# Altium PCB InsaneKeyboard.PcbDoc (part 2 of 4)
Units mil, origin at the board's own origin, x right, y up, seen from the top; angles counter-clockwise.
Board outline 7442.83 x 6333.68 mil, 4 copper layers (Top Layer, Int1 (GND), Int2 (GND), Bottom Layer), stack 60.6 mil thick; 288 components, 175 nets, 883 pads, 467 vias.
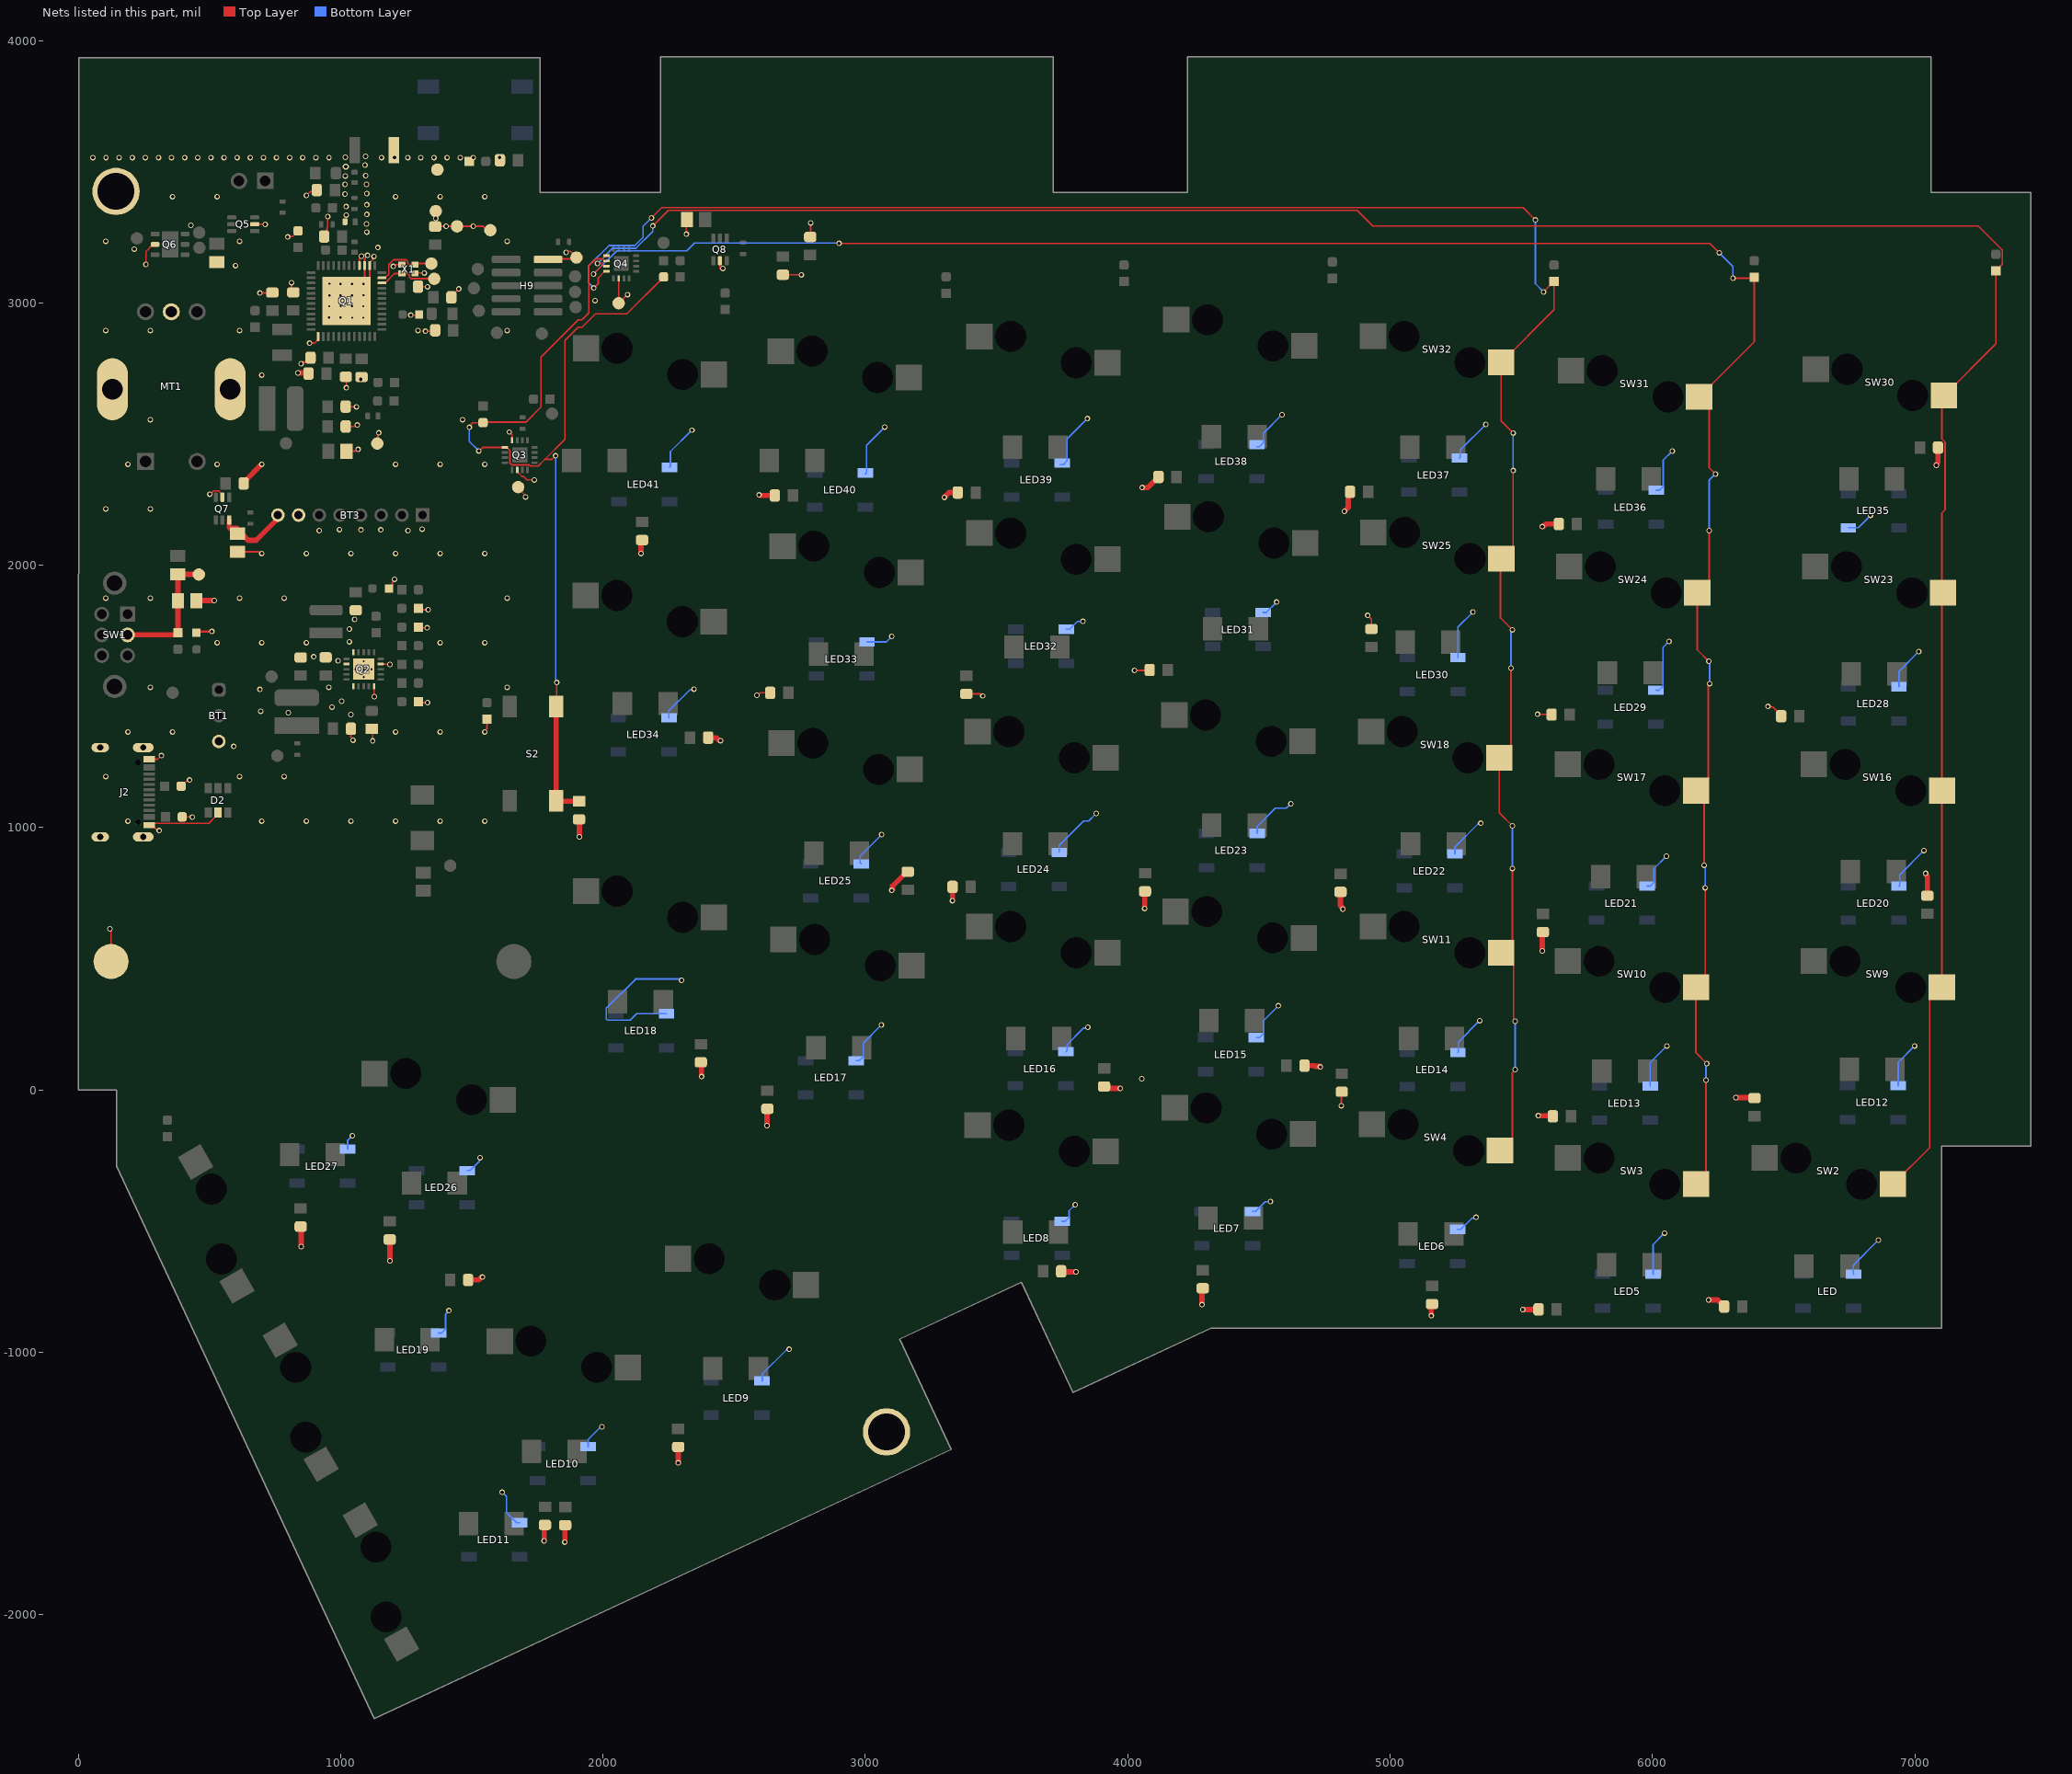
[diagram p4: the nets of this part, all layers, seen from the top]

## Part data (continued)
C4: "Ceramic Capacitor, Multilayer, Ceramic, 50V, 10% +Tol, 10% -Tol, X7R, 15% TC, 0.022uF, Surface Mount, 0603", Capacitor Type=Ceramic, Case/Package=0402, Manufacturer=Murata, Manufacturer Part Number=GRM155R71H223KA12D, Max Operating Temperature=125°C, Min Operating Temperature=-55°C, Package Shape=Rectangular, Package Style=SMTMeter, Rated DC Voltage (URdc)=50V, Supplier Part Number=490-3884-1-ND, Temperature Characteristics Code=X7R, Tolerance  (fill in as +-)=10%, Category="Ceramic Capacitors", ComponentLink1Description=https://datasheet.ciiva.com:443/pdfs/VipMasterIC/IC/MURE/MURE-S-A0008911298/MURE-S-A0008911312-1.pdf?src-supplier=IHS+Markit, ComponentLink1URL=https://datasheet.ciiva.com:443/pdfs/VipMasterIC/IC/MURE/MURE-S-A0008911298/MURE-S-A0008911312-1.pdf?src-supplier=IHS+Markit, ComponentLink2Description=https://datasheet.ciiva.com/11789/0900766b80ef921d-11789142.pdf?src-supplier=Rs, ComponentLink2URL=https://datasheet.ciiva.com/11789/0900766b80ef921d-11789142.pdf?src-supplier=Rs, ComponentLink3Description=https://datasheet.ciiva.com/18184/getdatasheetpartid-178940-18184738.pdf?src-supplier=Verical, ComponentLink3URL=https://datasheet.ciiva.com/18184/getdatasheetpartid-178940-18184738.pdf?src-supplier=Verical, ComponentLink4Description=https://datasheet.ciiva.com/29199/454297-da-01-en-vs-kondensator-0402-29199766.pdf?src-supplier=Conrad, ComponentLink4URL=https://datasheet.ciiva.com/29199/454297-da-01-en-vs-kondensator-0402-29199766.pdf?src-supplier=Conrad, ComponentLink5Description=https://datasheet.ciiva.com/7937/608985-7937629.pdf?src-supplier=Element14, ComponentLink5URL=https://datasheet.ciiva.com/7937/608985-7937629.pdf?src-supplier=Element14, ComponentLink6Description=https://datasheet.ciiva.com/131/partnumbering-e-01-131078.pdf?src-supplier=Digikey, ComponentLink6URL=https://datasheet.ciiva.com/131/partnumbering-e-01-131078.pdf?src-supplier=Digikey, ComponentLink7Description=https://datasheet.ciiva.com/131/partnumbering-e-01-131079.pdf?src-supplier=Digikey, ComponentLink7URL=https://datasheet.ciiva.com/131/partnumbering-e-01-131079.pdf?src-supplier=Digikey, ComponentLink8Description=https://datasheet.ciiva.com/131/partnumbering-e-01-131080.pdf?src-supplier=Digikey, ComponentLink8URL=https://datasheet.ciiva.com/131/partnumbering-e-01-131080.pdf?src-supplier=Digikey, ComponentLink9Description=https://datasheet.ciiva.com/22698/608985-22698424.pdf?src-supplier=Element14, ComponentLink9URL=https://datasheet.ciiva.com/22698/608985-22698424.pdf?src-supplier=Element14, ComponentLink10Description=https://datasheet.ciiva.com/16440/l0005e-16440589.pdf?src-supplier=Future+Electronics, ComponentLink10URL=https://datasheet.ciiva.com/16440/l0005e-16440589.pdf?src-supplier=Future+Electronics, ComponentLink11Description=https://datasheet.ciiva.com:443/pdfs/VipMasterIC/IC/MURE/MURE-S-A0004362469/MURE-S-A0004362882-1.pdf?src-supplier=IHS+Markit, ComponentLink11URL=https://datasheet.ciiva.com:443/pdfs/VipMasterIC/IC/MURE/MURE-S-A0004362469/MURE-S-A0004362882-1.pdf?src-supplier=IHS+Markit, ComponentLink12Description=https://datasheet.ciiva.com/29540/product-29540839.pdf?src-supplier=Digikey, ComponentLink12URL=https://datasheet.ciiva.com/29540/product-29540839.pdf?src-supplier=Digikey, ComponentLink13Description=https://datasheet.ciiva.com/29540/product-29540840.pdf?src-supplier=Digikey, ComponentLink13URL=https://datasheet.ciiva.com/29540/product-29540840.pdf?src-supplier=Digikey, ComponentLink14Description=https://datasheet.ciiva.com/29540/product-29540841.pdf?src-supplier=Digikey, ComponentLink14URL=https://datasheet.ciiva.com/29540/product-29540841.pdf?src-supplier=Digikey, ComponentLink15Description=https://datasheet.ciiva.com/11619/product-11619420.pdf?src-supplier=Avnet, ComponentLink15URL=https://datasheet.ciiva.com/11619/product-11619420.pdf?src-supplier=Avnet, Dielectric Material=Ceramic, Height=0.5mm, JESD-609 Code=e3, Length=1mm, Mounting Technology="Surface Mount", Multilayer=Yes, Packaging="Tape and Reel", Pins=2, Pricing="1=0.1, 10=0.022, 50=0.0148, 100=0.0125, 500=0.00878, 1000=0.00762, 2500=0.00639, 5000=0.00565, 10000=0.00504, 20000=0.00453, 30000=0.00428, 50000=0.004, 70000=0.00383, 100000=0.00367, 250000=0.00333, 500000=0.00312, 1000000=0.00294 (USD)", Reach SVHC Compliant=Yes, Reference Standard=AEC-Q200, RoHS=Yes, RoHS Compliant=Yes, Stock=581872, Supplier=Digikey, Terminal Finish=Nickel, Termination=Wraparound, Tolerance (fill in as +-)=10%, Width=0.5mm
C5: "Ceramic Capacitor, Multilayer, Ceramic, 100V, 5% +Tol, 5% -Tol, C0G, 30ppm/Cel TC, 0.00001uF, Surface Mount, 0603", Capacitor Type=Ceramic, Case/Package=0402, Manufacturer=Murata, Manufacturer Part Number=GRM1555C1H100FA01D, Max Operating Temperature=125°C, Min Operating Temperature=-55°C, Package Shape=Rectangular, Package Style=SMTMeter, Rated DC Voltage (URdc)=50V, Supplier Part Number=490-6186-1-ND, Temperature Characteristics Code=C0G, Tolerance  (fill in as +-)=1%, Category="Ceramic Capacitors", ComponentLink1Description=https://datasheet.ciiva.com:443/pdfs/VipMasterIC/IC/MURE/MURE-S-A0004347008/MURE-S-A0004347294-1.pdf?src-supplier=IHS+Markit, ComponentLink1URL=https://datasheet.ciiva.com:443/pdfs/VipMasterIC/IC/MURE/MURE-S-A0004347008/MURE-S-A0004347294-1.pdf?src-supplier=IHS+Markit, ComponentLink2Description=https://datasheet.ciiva.com/6263/partnumbering-e-01-6263819.pdf?src-supplier=Digikey, ComponentLink2URL=https://datasheet.ciiva.com/6263/partnumbering-e-01-6263819.pdf?src-supplier=Digikey, ComponentLink3Description=https://datasheet.ciiva.com/6263/partnumbering-e-01-6263822.pdf?src-supplier=Digikey, ComponentLink3URL=https://datasheet.ciiva.com/6263/partnumbering-e-01-6263822.pdf?src-supplier=Digikey, ComponentLink4Description=https://datasheet.ciiva.com:443/pdfs/VipMasterIC/IC/MURE/MURE-S-A0004365318/MURE-S-A0004370306-1.pdf?src-supplier=IHS+Markit, ComponentLink4URL=https://datasheet.ciiva.com:443/pdfs/VipMasterIC/IC/MURE/MURE-S-A0004365318/MURE-S-A0004370306-1.pdf?src-supplier=IHS+Markit, ComponentLink5Description=https://datasheet.ciiva.com/133/product-133480.pdf?src-supplier=Digikey, ComponentLink5URL=https://datasheet.ciiva.com/133/product-133480.pdf?src-supplier=Digikey, ComponentLink6Description=https://datasheet.ciiva.com/133/product-133481.pdf?src-supplier=Digikey, ComponentLink6URL=https://datasheet.ciiva.com/133/product-133481.pdf?src-supplier=Digikey, ComponentLink7Description=https://datasheet.ciiva.com/133/product-133482.pdf?src-supplier=Digikey, ComponentLink7URL=https://datasheet.ciiva.com/133/product-133482.pdf?src-supplier=Digikey, ComponentLink8Description=https://datasheet.ciiva.com/18183/getdatasheetpartid-307287-18183583.pdf?src-supplier=Verical, ComponentLink8URL=https://datasheet.ciiva.com/18183/getdatasheetpartid-307287-18183583.pdf?src-supplier=Verical, ComponentLink9Description=https://datasheet.ciiva.com/11607/product-11607353.pdf?src-supplier=Avnet, ComponentLink9URL=https://datasheet.ciiva.com/11607/product-11607353.pdf?src-supplier=Avnet, Dielectric Material=Ceramic, Height=0.9mm, JESD-609 Code=e3, Length=1.6mm, Mounting Technology="Surface Mount", Multilayer=Yes, Packaging="Tape and Reel", Pins=2, Pricing="1=0.1, 10=0.03, 50=0.0204, 100=0.0174, 500=0.0125, 1000=0.01097, 2500=0.00936, 5000=0.00838 (USD)", Reach SVHC Compliant=Yes, Reference Standard=AEC-Q200, RoHS=Yes, RoHS Compliant=Yes, Stock=4693307, Supplier=Digikey, Terminal Finish=Nickel, Termination=Wraparound, Tolerance (fill in as +-)=1%, Width=0.8mm
C6 C15 C17: "Ceramic Capacitor, Multilayer, Ceramic, 25V, 10% +Tol, 10% -Tol, X5R, 15% TC, 4.7uF, Surface Mount, 0603", Capacitor Type=Ceramic, Case/Package=0603, Manufacturer=Murata, Manufacturer Part Number=GRT188R61E475KE13D, Max Operating Temperature=85°C, Min Operating Temperature=-55°C, Package Shape=Rectangular, Rated DC Voltage (URdc)=25V, Supplier Part Number=490-12328-1-ND, Temperature Characteristics Code=X5R, Tolerance  (fill in as +-)=10%, Category="Ceramic Capacitors", ComponentLink1Description=https://psearch.en.murata.com:443/capacitor/product/GRT188R61E475KE13%23.pdf?src-supplier=IHS+Markit, ComponentLink1URL=https://psearch.en.murata.com:443/capacitor/product/GRT188R61E475KE13%23.pdf?src-supplier=IHS+Markit, ComponentLink2Description=http://www.farnell.com/datasheets/2165958.pdf?src-supplier=Farnell, ComponentLink2URL=http://www.farnell.com/datasheets/2165958.pdf?src-supplier=Farnell, ComponentLink3Description=http://search.murata.co.jp/Ceramy/image/img/A01X/G101/ENG/GRT188R61E475KE13-01.pdf?src-supplier=Digikey, ComponentLink3URL=http://search.murata.co.jp/Ceramy/image/img/A01X/G101/ENG/GRT188R61E475KE13-01.pdf?src-supplier=Digikey, ComponentLink4Description=https://datasheet.octopart.com/GRT188R61E475KE13D-Murata-datasheet-67697750.pdf?src-supplier=Newark, ComponentLink4URL=https://datasheet.octopart.com/GRT188R61E475KE13D-Murata-datasheet-67697750.pdf?src-supplier=Newark, ComponentLink5Description=http://www.farnell.com/datasheets/2165958.pdf?src-supplier=Element14, ComponentLink5URL=http://www.farnell.com/datasheets/2165958.pdf?src-supplier=Element14, ComponentLink6Description=https://datasheet.octopart.com/GRT188R61E475KE13D-Murata-datasheet-165579666.pdf?src-supplier=TME, ComponentLink6URL=https://datasheet.octopart.com/GRT188R61E475KE13D-Murata-datasheet-165579666.pdf?src-supplier=TME, Dielectric Material=Ceramic, JESD-609 Code=e3, Mounting Technology="Surface Mount", Multilayer=Yes, Packaging="Tape and Reel", Pins=2, Pricing="1=0.19, 10=0.111, 50=0.0792, 100=0.0693, 500=0.05246, 1000=0.04721 (USD)", Reach SVHC Compliant=Yes, Reference Standard=AEC-Q200, RoHS=Yes, RoHS Compliant=Yes, Stock=959263, Supplier=Digikey, Terminal Finish=Nickel, Termination=Wraparound, Tolerance (fill in as +-)=10%
C7 C10: "Ceramic Capacitor, Multilayer, Ceramic, 10V, 20% +Tol, 20% -Tol, X5R, 15% TC, 10uF, Surface Mount, 0603", Capacitor Type=Ceramic, Case/Package=0603, Manufacturer=Murata, Manufacturer Part Number=GRM188R61A106ME69D, Max Operating Temperature=85°C, Min Operating Temperature=-55°C, Package Shape=Rectangular, Rated DC Voltage (URdc)=10V, Supplier Part Number=490-10475-1-ND, Temperature Characteristics Code=X5R, Tolerance  (fill in as +-)=20%, Category="Ceramic Capacitors", ComponentLink1Description=https://datasheet.ciiva.com:443/pdfs/VipMasterIC/IC/MURE/MURE-S-A0004349797/MURE-S-A0004352786-1.pdf?src-supplier=IHS+Markit, ComponentLink1URL=https://datasheet.ciiva.com:443/pdfs/VipMasterIC/IC/MURE/MURE-S-A0004349797/MURE-S-A0004352786-1.pdf?src-supplier=IHS+Markit, ComponentLink2Description=http://www.mouser.com/ds/2/281/c02e-2905.pdf?src-supplier=Mouser, ComponentLink2URL=http://www.mouser.com/ds/2/281/c02e-2905.pdf?src-supplier=Mouser, ComponentLink3Description=http://www.farnell.com/datasheets/1872210.pdf?src-supplier=Farnell, ComponentLink3URL=http://www.farnell.com/datasheets/1872210.pdf?src-supplier=Farnell, ComponentLink4Description=https://datasheet.octopart.com/GRM188R61A106ME69D-Murata-datasheet-62317187.pdf?src-supplier=Element14, ComponentLink4URL=https://datasheet.octopart.com/GRM188R61A106ME69D-Murata-datasheet-62317187.pdf?src-supplier=Element14, ComponentLink5Description=https://datasheet.octopart.com/GRM188R61A106ME69D-Murata-datasheet-22122223.pdf?src-supplier=Future+Electronics, ComponentLink5URL=https://datasheet.octopart.com/GRM188R61A106ME69D-Murata-datasheet-22122223.pdf?src-supplier=Future+Electronics, ComponentLink6Description=http://search.murata.co.jp/Ceramy/image/img/A01X/G101/ENG/GRM188R61A106ME69-01.pdf?src-supplier=Digikey, ComponentLink6URL=http://search.murata.co.jp/Ceramy/image/img/A01X/G101/ENG/GRM188R61A106ME69-01.pdf?src-supplier=Digikey, ComponentLink7Description=http://www.farnell.com/datasheets/1872210.pdf?src-supplier=Newark, ComponentLink7URL=http://www.farnell.com/datasheets/1872210.pdf?src-supplier=Newark, ComponentLink8Description=http://www.farnell.com/datasheets/2048014.pdf?src-supplier=Element14, ComponentLink8URL=http://www.farnell.com/datasheets/2048014.pdf?src-supplier=Element14, ComponentLink9Description=http://www.farnell.com/datasheets/1872210.pdf?src-supplier=Element14, ComponentLink9URL=http://www.farnell.com/datasheets/1872210.pdf?src-supplier=Element14, ComponentLink10Description=https://datasheet.octopart.com/GRM188R61A106ME69D-Murata-datasheet-165579666.pdf?src-supplier=TME, ComponentLink10URL=https://datasheet.octopart.com/GRM188R61A106ME69D-Murata-datasheet-165579666.pdf?src-supplier=TME, Dielectric Material=Ceramic, JESD-609 Code=e3, Mounting Technology="Surface Mount", Multilayer=Yes, Packaging="Tape and Reel", Pins=2, Pricing="1=0.13, 10=0.075, 50=0.0518, 100=0.0448, 500=0.03284, 1000=0.02913, 4000=0.02354, 8000=0.02144, 12000=0.02039, 20000=0.01922, 28000=0.01853, 40000=0.01787, 100000=0.01643, 200000=0.01556, 400000=0.01484 (USD)", Reach SVHC Compliant=Yes, RoHS=Yes, RoHS Compliant=Yes, Stock=738560, Supplier=Digikey, Terminal Finish=Nickel, Termination=Wraparound, Tolerance (fill in as +-)=20%
C8 C12 C13 C14 C26 C27 C29 C31 C32 C33 C34 C35 C36 C37 C38 C39 C40 C41 C42 C43 C44 C45 C46 C47 C48 C49 C50 C51 C52 C53 C54 C55 C56 C57 C58 C59 C60 C61 C62 C63 C64 C65 C66 C67 C68 C69: "Ceramic Capacitor, Multilayer, Ceramic, 10V, 10% +Tol, 10% -Tol, X5R, 15% TC, 1uF, Surface Mount, 0603", Capacitor Type=Ceramic, Case/Package=0603, Manufacturer=Murata, Manufacturer Part Number=GRM188R61A105KA61D, Max Operating Temperature=85°C, Min Operating Temperature=-55°C, Package Shape=Rectangular, Package Style=SMTMeter, Rated DC Voltage (URdc)=10V, Supplier Part Number=490-1543-1-ND, Temperature Characteristics Code=X5R, Tolerance  (fill in as +-)=10%, Category="Ceramic Capacitors", ComponentLink1Description=https://psearch.en.murata.com:443/capacitor/product/GRM188R61A105KA61%23.pdf?src-supplier=IHS+Markit, ComponentLink1URL=https://psearch.en.murata.com:443/capacitor/product/GRM188R61A105KA61%23.pdf?src-supplier=IHS+Markit, ComponentLink2Description=https://datasheet.ciiva.com/18102/getdatasheetpartid-85467-18102910.pdf?src-supplier=Verical, ComponentLink2URL=https://datasheet.ciiva.com/18102/getdatasheetpartid-85467-18102910.pdf?src-supplier=Verical, ComponentLink3Description=https://datasheet.ciiva.com/19476/1857381-19476568.pdf?src-supplier=Jameco, ComponentLink3URL=https://datasheet.ciiva.com/19476/1857381-19476568.pdf?src-supplier=Jameco, ComponentLink4Description=https://datasheet.ciiva.com/7719/608985-7719036.pdf?src-supplier=Element14, ComponentLink4URL=https://datasheet.ciiva.com/7719/608985-7719036.pdf?src-supplier=Element14, ComponentLink5Description=https://datasheet.ciiva.com/22706/608985-22706782.pdf?src-supplier=Element14, ComponentLink5URL=https://datasheet.ciiva.com/22706/608985-22706782.pdf?src-supplier=Element14, ComponentLink6Description=https://datasheet.ciiva.com/131/partnumbering-e-01-131741.pdf?src-supplier=Digikey, ComponentLink6URL=https://datasheet.ciiva.com/131/partnumbering-e-01-131741.pdf?src-supplier=Digikey, ComponentLink7Description=https://datasheet.ciiva.com/131/partnumbering-e-01-131742.pdf?src-supplier=Digikey, ComponentLink7URL=https://datasheet.ciiva.com/131/partnumbering-e-01-131742.pdf?src-supplier=Digikey, ComponentLink8Description=https://datasheet.ciiva.com/131/partnumbering-e-01-131743.pdf?src-supplier=Digikey, ComponentLink8URL=https://datasheet.ciiva.com/131/partnumbering-e-01-131743.pdf?src-supplier=Digikey, ComponentLink9Description=https://datasheet.ciiva.com/16199/product-16199724.pdf?src-supplier=Future+Electronics, ComponentLink9URL=https://datasheet.ciiva.com/16199/product-16199724.pdf?src-supplier=Future+Electronics, Dielectric Material=Ceramic, Height=0.8mm, JESD-609 Code=e3, Length=1.6mm, Mounting Technology="Surface Mount", Multilayer=Yes, Packaging="Tape and Reel", Pins=2, Pricing="1=0.1, 10=0.059, 50=0.0408, 100=0.0354, 500=0.0261, 1000=0.02321 (USD)", Reach SVHC Compliant=Yes, RoHS=Yes, RoHS Compliant=Yes, Stock=2506225, Supplier=Digikey, Terminal Finish=Nickel, Termination=Wraparound, Tolerance (fill in as +-)=10%, Width=0.8mm
C9 C11 C16 C18 C20 C21: "Ceramic Capacitor, Multilayer, Ceramic, 100V, 10% +Tol, 10% -Tol, X7R, 15% TC, 0.01uF, Surface Mount, 0603", Capacitor Type=Ceramic, Case/Package=0603, Manufacturer=Murata, Manufacturer Part Number=GCM188R72A103KA37D, Max Operating Temperature=125°C, Min Operating Temperature=-55°C, Package Shape=Rectangular, Package Style=SMTMeter, Rated DC Voltage (URdc)=100V, Supplier Part Number=490-4781-1-ND, Temperature Characteristics Code=X7R, Tolerance  (fill in as +-)=10%, Category="Ceramic Capacitors", ComponentLink1Description=https://psearch.en.murata.com:443/capacitor/product/GCM188R72A103KA37%23.pdf?src-supplier=IHS+Markit, ComponentLink1URL=https://psearch.en.murata.com:443/capacitor/product/GCM188R72A103KA37%23.pdf?src-supplier=IHS+Markit, ComponentLink2Description=https://datasheet.ciiva.com/132/product-132907.pdf?src-supplier=Digikey, ComponentLink2URL=https://datasheet.ciiva.com/132/product-132907.pdf?src-supplier=Digikey, ComponentLink3Description=https://datasheet.ciiva.com/132/product-132908.pdf?src-supplier=Digikey, ComponentLink3URL=https://datasheet.ciiva.com/132/product-132908.pdf?src-supplier=Digikey, ComponentLink4Description=https://datasheet.ciiva.com/132/product-132909.pdf?src-supplier=Digikey, ComponentLink4URL=https://datasheet.ciiva.com/132/product-132909.pdf?src-supplier=Digikey, ComponentLink5Description=https://datasheet.ciiva.com/11786/0900766b80ef92d0-11786108.pdf?src-supplier=Rs, ComponentLink5URL=https://datasheet.ciiva.com/11786/0900766b80ef92d0-11786108.pdf?src-supplier=Rs, ComponentLink6Description=https://datasheet.ciiva.com/16497/product-16497251.pdf?src-supplier=Future+Electronics, ComponentLink6URL=https://datasheet.ciiva.com/16497/product-16497251.pdf?src-supplier=Future+Electronics, ComponentLink7Description=https://datasheet.ciiva.com/18183/getdatasheetpartid-178890-18183651.pdf?src-supplier=Verical, ComponentLink7URL=https://datasheet.ciiva.com/18183/getdatasheetpartid-178890-18183651.pdf?src-supplier=Verical, ComponentLink8Description=https://datasheet.ciiva.com/11619/product-11619719.pdf?src-supplier=Avnet, ComponentLink8URL=https://datasheet.ciiva.com/11619/product-11619719.pdf?src-supplier=Avnet, Dielectric Material=Ceramic, Height=0.9mm, JESD-609 Code=e3, Length=1.6mm, Mounting Technology="Surface Mount", Multilayer=Yes, Packaging="Tape and Reel", Pins=2, Reach SVHC Compliant=Yes, Reference Standard=AEC-Q200, RoHS=Yes, RoHS Compliant=Yes, Supplier=Digikey, Terminal Finish=Nickel, Termination=Wraparound, Tolerance (fill in as +-)=10%, Width=0.8mm
  C9 C20 C21: Pricing="4000=0.00978, 8000=0.00881, 12000=0.00833, 20000=0.00779, 28000=0.00747, 40000=0.00716, 100000=0.0065, 200000=0.00638 (USD)", Stock=6260000
  C11 C16 C18: Pricing="1=0.1, 10=0.03, 50=0.0204, 100=0.0174, 500=0.0125, 1000=0.01097, 4000=0.00978, 8000=0.00881, 12000=0.00833, 20000=0.00779, 28000=0.00747, 40000=0.00716, 100000=0.0065, 200000=0.00638 (USD)", Stock=6259212
C19: library part "CAP 22uF 6.3V 0603", "Ceramic Capacitor, Multilayer, Ceramic, 6.3V, 20% +Tol, 20% -Tol, X5R, 15% TC, 22uF, Surface Mount, 0603", Capacitance="22 uF", Capacitor Type=Ceramic, Case Code - in=0603, Case Code - mm=1608, Dielectric=X5R, Manufacturer=Murata, Manufacturer Part Number=GRM188R61A226ME15D, Max Operating Temperature=85°C, Maximum Operating Temperature="+ 85 C", Min Operating Temperature=-55°C, Minimum Operating Temperature="- 55 C", Package / Case="0603 (1608 metric)", Package Shape=Rectangular, Package Style=SMTMeter, Rated DC Voltage (URdc)=6.3V, Supplier Part Number=490-7612-2-ND, Supplier Part Number 1=490-10476-1-ND, Tolerance="20 %", Tolerance  (fill in as +-)=20%, Voltage Rating DC="10 VDC", Brand="Murata Electronics", Case/Package=0603, Category="Ceramic Capacitors", ComponentLink1Description=http://www.farnell.com/datasheets/2047978.pdf?src-supplier=Element14, ComponentLink1URL=http://www.farnell.com/datasheets/2047978.pdf?src-supplier=Element14, ComponentLink2Description=https://datasheet.ciiva.com:443/pdfs/VipMasterIC/IC/MURE/MURE-S-A0004349797/MURE-S-A0004352371-1.pdf?src-supplier=IHS+Markit, ComponentLink2URL=https://datasheet.ciiva.com:443/pdfs/VipMasterIC/IC/MURE/MURE-S-A0004349797/MURE-S-A0004352371-1.pdf?src-supplier=IHS+Markit, ComponentLink3Description=https://datasheet.ciiva.com/29541/partnumbering-e-01-29541598.pdf?src-supplier=Digikey, ComponentLink3URL=https://datasheet.ciiva.com/29541/partnumbering-e-01-29541598.pdf?src-supplier=Digikey, Dielectric Material=Ceramic, Factory Pack Quantity=4000, Height="0.8 mm", JESD-609 Code=e3, Length="1.6 mm", Mounting Technology="Surface Mount", Multilayer=Yes, Packaging=Reel, Pins=2, Pricing="10000=0.03357, 20000=0.03118, 30000=0.02998, 50000=0.02865, 70000=0.02786, 100000=0.0271, 250000=0.02546 (USD)", Pricing 1="1=0.33, 10=0.226, 50=0.1506, 100=0.1279, 500=0.0903, 1000=0.079 (USD)", Product="General Type MLCCs", Product Category="Multilayer Ceramic Capacitors MLCC - SMD/SMT", Reach SVHC Compliant=Yes, RoHS=True, RoHS Compliant=Yes, Series=GRM, Stock=350000, Stock 1=849458, Supplier=Digikey, Supplier 1=Digi-Key, Temperature Characteristics Code=X5R, Terminal Finish=Nickel, Termination=Wraparound, Termination Style=SMD/SMT, Tolerance (fill in as +-)=20%, Type="Voltage and Temperature Derating Recommended Product", Unit Weight="0.000222 oz", Width="0.8 mm"
C22 C23 C24 C25 C28 C30 C70: "Multilayer Ceramic Capacitor, 1 uF, 10 V, ± 20%, X5R, 0201 [0603 Metric]", Case Code (Imperial)=0201, Case Code (Metric)=0603, Dielectric=X5R, Manufacturer=Murata, Manufacturer Part Number=GRM033R61A105ME15D, Max Operating Temperature=85°C, Min Operating Temperature=-55°C, Supplier Part Number=490-13226-1-ND, Tolerance=20%, Voltage Rating=10V, Case/Package=0201, Category="Ceramic Capacitors", ComponentLink1Description=http://search.murata.co.jp/Ceramy/image/img/A01X/G101/ENG/GRM033R61A105ME15-01.pdf?src-supplier=Digikey, ComponentLink1URL=http://search.murata.co.jp/Ceramy/image/img/A01X/G101/ENG/GRM033R61A105ME15-01.pdf?src-supplier=Digikey, ComponentLink2Description=https://datasheet.octopart.com/GRM033R61A105ME15D-Murata-datasheet-86568077.pdf?src-supplier=Future+Electronics, ComponentLink2URL=https://datasheet.octopart.com/GRM033R61A105ME15D-Murata-datasheet-86568077.pdf?src-supplier=Future+Electronics, Height=390um, Length=0.024inch, Material=Ceramic, Mounting Technology="Surface Mount", Packaging="Cut Tape", Pricing="1=0.35, 10=0.204, 50=0.147, 100=0.1291, 500=0.0988, 1000=0.08934, 2500=0.0793, 5000=0.07321 (USD)", RoHS=Yes, RoHS Compliant=Yes, Series=GRM, Stock=595344, Supplier=Digikey, Thickness=0.015inch, Voltage Rating (DC)=10V, Width=0.012inch
D1 D3 D4 D5 D6 D7 D8 D9 D10 D11 D12 D13 D14 D15 D16 D17 D18 D19 D20 D21 D22 D23 D24 D25 D26 D27 D28 D29 D30 D31 D32 D33 D34 D35 D36 D37 D38 D39 D40: "Rectifier Diode, Schottky, 1 Phase, 1 Element, 1A, 15V V(RRM), Silicon, DO-214BA", Average Rectified Current=1A, Forward Voltage=220mV, Manufacturer=Microchip, Manufacturer Part Number=LSM115JE3/TR13, Max Forward Surge Current (Ifsm)=50A, Max Operating Temperature=100°C, Max Repetitive Reverse Voltage (Vrrm)=15V, Max Reverse Current=10mA, Min Operating Temperature=-55°C, Supplier Part Number=150-LSM115JE3/TR13CT-ND, Category="Rectifier Diodes", ComponentLink1Description=https://datasheet.octopart.com/LSM115JE3-TR13-Microchip-datasheet-175858636.pdf?src-supplier=microchipDIRECT, ComponentLink1URL=https://datasheet.octopart.com/LSM115JE3-TR13-Microchip-datasheet-175858636.pdf?src-supplier=microchipDIRECT, ComponentLink2Description=https://datasheet.octopart.com/LSM115JE3-TR13-Microchip-datasheet-175858635.pdf?src-supplier=Master+Electronics, ComponentLink2URL=https://datasheet.octopart.com/LSM115JE3-TR13-Microchip-datasheet-175858635.pdf?src-supplier=Master+Electronics, Element Configuration=5460ElementConfiguration, Forward Current=1A, Height=2.92mm, Lead Free=5697LeadFree, Max Reverse Voltage (DC)=15V, Mounting Technology=8Mount, Packaging=10Packaging, Peak Non-Repetitive Surge Current=50A, Pins=2NUMBER, Pricing="1=0.55, 100=0.5 (USD)", Radiation Hardening=5898YesNo, Reverse Voltage=15V, Reverse Voltage (DC)=15V, RoHS=Yes, Stock=87281, Supplier=Digikey, Weight=103.986051mg
D2: library part D_TVS_Diode, "Trans Voltage Suppressor Diode, 300W, 5V V(RWM), Unidirectional, 1 Element, Silicon", Clamping Voltage-Max=12.5V, LCSC Part#=C85364, Manufacturer=Semtech, Manufacturer Part Number=SRV05-4.TCT, Max Operating Temperature=125°C, Min Breakdown Voltage=6V, Min Operating Temperature=-55°C, Non-rep Peak Rev Power Dis-Max=300W, Package Body Material=Plastic, Package Shape=Rectangular, Package Style="SMALL OUTLINEMeter", Peak Reflow Temperature (Cel)=260°C, Rep Pk Reverse Voltage-Max=5V, Supplier Part Number=SRV05-4CT-ND, Time @ Peak Reflow Temperature-Max (s)=30s, Category="TVS Diodes", ComponentLink1Description=https://datasheet.ciiva.com:443/pdfs/VipMasterIC/IC/SEMT/SEMT-S-A0000304756/SEMT-S-A0000304756-1.pdf?src-supplier=IHS+Markit, ComponentLink1URL=https://datasheet.ciiva.com:443/pdfs/VipMasterIC/IC/SEMT/SEMT-S-A0000304756/SEMT-S-A0000304756-1.pdf?src-supplier=IHS+Markit, ComponentLink2Description=https://datasheet.ciiva.com/8029/srv05-4-8029973.pdf?src-supplier=Element14, ComponentLink2URL=https://datasheet.ciiva.com/8029/srv05-4-8029973.pdf?src-supplier=Element14, ComponentLink3Description=https://datasheet.ciiva.com/18065/getdatasheetpartid-93542-18065216.pdf?src-supplier=Verical, ComponentLink3URL=https://datasheet.ciiva.com/18065/getdatasheetpartid-93542-18065216.pdf?src-supplier=Verical, ComponentLink4Description=https://datasheet.ciiva.com/338/srv05-4-338860.pdf?src-supplier=Digikey, ComponentLink4URL=https://datasheet.ciiva.com/338/srv05-4-338860.pdf?src-supplier=Digikey, ComponentLink5Description=https://datasheet.ciiva.com/338/srv05-4-338861.pdf?src-supplier=Digikey, ComponentLink5URL=https://datasheet.ciiva.com/338/srv05-4-338861.pdf?src-supplier=Digikey, ComponentLink6Description=https://datasheet.ciiva.com/338/srv05-4-338862.pdf?src-supplier=Digikey, ComponentLink6URL=https://datasheet.ciiva.com/338/srv05-4-338862.pdf?src-supplier=Digikey, ComponentLink7Description=https://datasheet.ciiva.com/11193/srv05-4-11193639.pdf?src-supplier=Avnet, ComponentLink7URL=https://datasheet.ciiva.com/11193/srv05-4-11193639.pdf?src-supplier=Avnet, ComponentLink8Description=https://datasheet.ciiva.com/16396/srv05-4-16396600.pdf?src-supplier=Future+Electronics, ComponentLink8URL=https://datasheet.ciiva.com/16396/srv05-4-16396600.pdf?src-supplier=Future+Electronics, Datasheet=https://datasheet.lcsc.com/szlcsc/ProTek-Devices-SRV05-4-P-T7_C85364.pdf, Diode Element Material=SILICON, Diode Type="TRANS VOLTAGE SUPPRESSOR", JESD-30 Code=R-PDSO-G6, JESD-609 Code=e3, MFR Part #=SRV05-4-P-T7, Moisture Sensitivity Level=1, Number of Elements=1, Pins=6, Polarity=Unidirectional, Pricing="1=1.34, 10=0.903, 100=0.6313, 500=0.50952, 1000=0.46965 (USD)", Qualification Status="Not Qualified", Reach SVHC Compliant=Yes, RoHS=Yes, RoHS Compliant=Yes, Stock=366681, Supplier=Digikey, Surface Mount=Yes, Technology=AVALANCHE, Terminal Finish=Tin, Terminal Form="Gull Wing", Terminal Position=DUAL, Type=Basic
H1 H2: library part HOLE_#4
H3: library part PRPC002SAAN-RC, "CONN HEADER VERT 2POS 2.54MM", Color=Black, Manufacturer=Sullins, Standard Package=1, Supplier Part Number 1=S1011EC-02-ND, Category="Connectors, Interconnects", ComponentLink1Description=https://media.digikey.com/PDF/Data%20Sheets/Sullins%20PDFs/xRxCzzzSxxN-RC_ST_11635-B.pdf?src-supplier=Digi-Key, ComponentLink1URL=https://media.digikey.com/PDF/Data%20Sheets/Sullins%20PDFs/xRxCzzzSxxN-RC_ST_11635-B.pdf?src-supplier=Digi-Key, Connector Type="Header, Unshrouded, Breakaway", Contact Finish=Gold, Contact Finish Thickness=Flash, Contact Mating Length="0.230\" (5.84mm)", Contact Type="Male Pin", Family="Rectangular Connectors - Headers, Male Pins", Fastening Type=-, Features=-, Manufacturer Part Number=PRPC002SAAN-RC, Mounting Type="Through Hole", Number of Positions=2, Number of Positions Loaded=All, Number of Rows=1, Online Catalog="0.100\" (2.54mm) Pitch Connector Headers", Other Names="S9510E-02  S9510E-02-ND", Packaging=Bulk, Pitch="0.100\" (2.54mm)", Pricing 1="1=0.08, 10=0.073, 25=0.054, 50=0.0464, 100=0.0449, 250=0.0387, 500=0.0372 (USD)", Row Spacing=-, Series=-, Stock 1=42739, Supplier 1=Digi-Key, Termination=Solder
H9: library part "Debug Connector Mini SWD - 0.05\"", "Mini SWD 0.05\" Pitch Connector - 10 Pin SMT Box Header", Manufacturer="Adafruit Industries", Manufacturer Part Number=4048, Category=Connectors, ComponentLink1Description=https://media.digikey.com/pdf/Data%20Sheets/Adafruit%20PDFs/4048_Web.pdf?src-supplier=Digi-Key, ComponentLink1URL=https://media.digikey.com/pdf/Data%20Sheets/Adafruit%20PDFs/4048_Web.pdf?src-supplier=Digi-Key, Pricing 1="1=1.95000 (USD)", RoHS=No, Stock 1=201, Supplier 1=Digi-Key
J2: library part "USB-C Power Connector", "USB-C (USB TYPE-C) Receptacle Connector 24 (6+18 Dummy) Position Surface Mount, Right Angle; Through Hole", Manufacturer Part Number=USB4125-GF-A_REVA2, Package=None, Availability=Unavailable, Price=None
L1 L2: library part "IND 1.9nH 0402", "Inductor Chip 1.9nH 0.3nH Tolerance 2-Pin 0402 Paper T/R", Case/Package=0402, DC Resistance (DCR)=50mR, Manufacturer=Murata, Manufacturer Part Number=LQG15WZ1N9S02D, Max Operating Temperature=125°C, Min Operating Temperature=-55°C, Ratings=AEC-Q200, Self Resonant Frequency=8GHz, Supplier Part Number=490-LQG15WZ1N9S02DCT-ND, Test Frequency=100MHz, Category="Fixed Inductors", ComponentLink1Description=https://search.murata.co.jp/Ceramy/image/img/P02/JELF243B-9117.pdf?src-supplier=Digikey, ComponentLink1URL=https://search.murata.co.jp/Ceramy/image/img/P02/JELF243B-9117.pdf?src-supplier=Digikey, Mounting Technology="Surface Mount", Pricing="1=0.12, 10=0.093, 25=0.084, 50=0.0778, 100=0.0722, 250=0.06528, 500=0.06048, 1000=0.05605, 2500=0.05066 (USD)", RoHS=Yes, RoHS Compliant=Yes, Series=LQG15, Shielding=Unshielded, Stock=2657, Supplier=Digikey
L3 L4: "RFVDD, PAVDD, EFR", Case Code=0603, Clock Frequency=100MHz, Current Rating=500mA, DC Resistance-Max=380mR, Manufacturer=Murata, Manufacturer Part Number=BLM18AG601SN1D, Max Operating Temperature=125°C, Min Operating Temperature=-55°C, Supplier Part Number=490-1014-1-ND, Category="Ferrite Beads and Chips", Channels=1, ComponentLink1Description=https://datasheet.ciiva.com:443/pdfs/VipMasterIC/IC/MURE/MURE-S-A0008871331/MURE-S-A0008870588-1.pdf?src-supplier=IHS+Markit, ComponentLink1URL=https://datasheet.ciiva.com:443/pdfs/VipMasterIC/IC/MURE/MURE-S-A0008871331/MURE-S-A0008870588-1.pdf?src-supplier=IHS+Markit, ComponentLink2Description=https://datasheet.ciiva.com/19460/1844766-19460213.pdf?src-supplier=Jameco, ComponentLink2URL=https://datasheet.ciiva.com/19460/1844766-19460213.pdf?src-supplier=Jameco, ComponentLink3Description=https://datasheet.ciiva.com/29347/442309-da-01-en-chip-drossel-0603-600r-500ma-1-6x0-8mm-29347900.pdf?src-supplier=Conrad, ComponentLink3URL=https://datasheet.ciiva.com/29347/442309-da-01-en-chip-drossel-0603-600r-500ma-1-6x0-8mm-29347900.pdf?src-supplier=Conrad, ComponentLink4Description=https://datasheet.ciiva.com/41449/001172228-da-01-en-drossel-0603-600r-1-6x0-8mm-4000st-41449517.pdf?src-supplier=Conrad, ComponentLink4URL=https://datasheet.ciiva.com/41449/001172228-da-01-en-drossel-0603-600r-1-6x0-8mm-4000st-41449517.pdf?src-supplier=Conrad, ComponentLink5Description=https://datasheet.ciiva.com/1012/l0110s0100blm18a-1012017.pdf?src-supplier=Digikey, ComponentLink5URL=https://datasheet.ciiva.com/1012/l0110s0100blm18a-1012017.pdf?src-supplier=Digikey, ComponentLink6Description=https://datasheet.ciiva.com/1012/l0110s0100blm18a-1012018.pdf?src-supplier=Digikey, ComponentLink6URL=https://datasheet.ciiva.com/1012/l0110s0100blm18a-1012018.pdf?src-supplier=Digikey, ComponentLink7Description=https://datasheet.ciiva.com/1012/l0110s0100blm18a-1012019.pdf?src-supplier=Digikey, ComponentLink7URL=https://datasheet.ciiva.com/1012/l0110s0100blm18a-1012019.pdf?src-supplier=Digikey, ComponentLink8Description=https://datasheet.ciiva.com/3081/l0110s0100blm18a-3081613.pdf?src-supplier=Avnet, ComponentLink8URL=https://datasheet.ciiva.com/3081/l0110s0100blm18a-3081613.pdf?src-supplier=Avnet, Construction="Chip Bead", Filter Type="FERRITE CHIP", Height=0.8mm, JESD-609 Code=e3, Length=1.6mm, Material=Ferrite, Min Frequency=100MHz, Mounting Technology="Surface Mount", Output Impedance=600R, Packaging="Tape and Reel", Pricing="1=0.1, 10=0.058, 25=0.0504, 50=0.0452, 100=0.0405, 250=0.03488, 500=0.03106, 1000=0.02756 (USD)", Reach SVHC Compliant=Yes, RoHS=Yes, RoHS Compliant=Yes, Stock=669813, Supplier=Digikey, Terminal Finish=Nickel, Width=0.8mm